# Altium PCB RBP-UPS_Power_V1.1.PcbDoc (part 1 of 2) (continued)
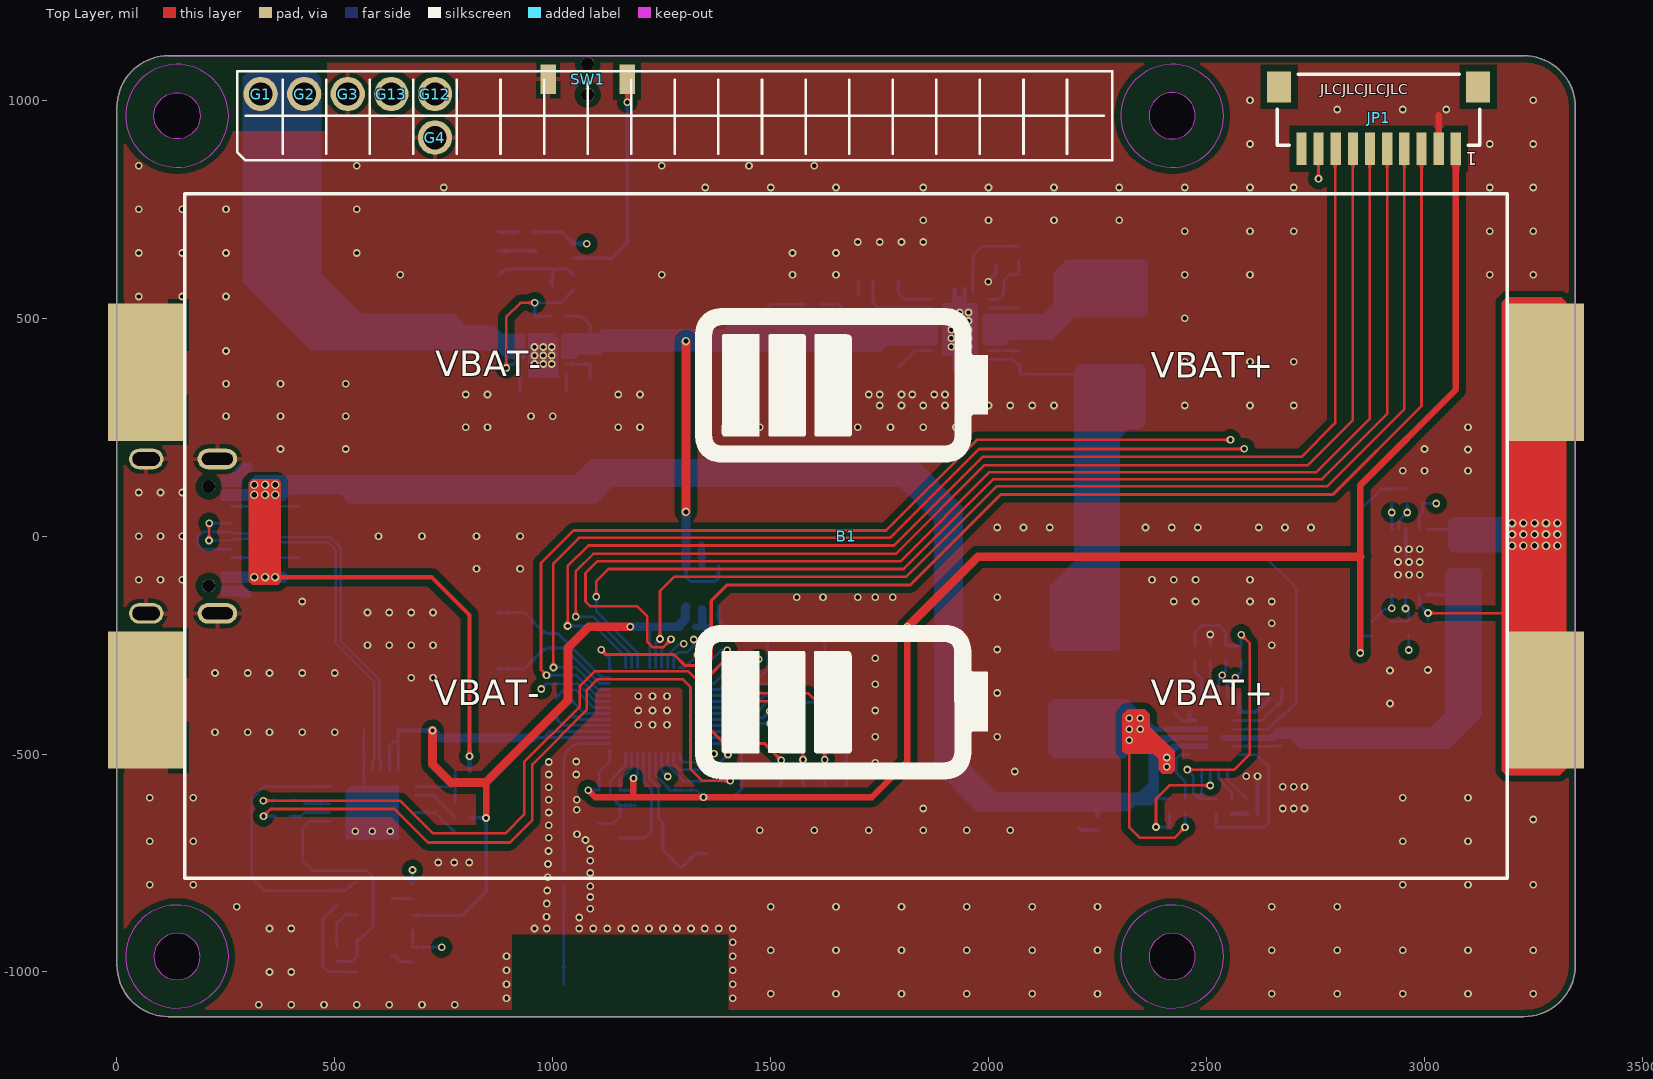
[diagram p0: Top Layer view]
## Components (designator, comment, footprint, x,y, rotation, side; value= is the part's Value field where it differs from the comment) (continued)
R1 "21K/1%" R0402_L 2415.1,-618.96 r90 bottom
R2 "10K/1%" R0402_L 2415.09,-683.96 r90 bottom
R3 "5.1K/1%" R0402_L 432.73,-49 r180 bottom
R4 "5.1K/1%" R0402_L 432.73,68.23 r180 bottom
R5 "0R/1%" R0402_L 381.25,-606.83 r180 bottom
R6 "26.5K/1%" R0402_L 2673,-396 r270 bottom
R7 "10K/1%" R0402_L 2673,-331.27 r90 bottom
R8 "0R/1%" R0402_L 381.21,-642.34 r180 bottom
R9 "0R/1%" R0402_L 677.77,-959.82 r90 bottom
R10 "10K/1%" R0402_L 503.81,-830.4 r270 bottom
R11 "10K/1%" R0402_L 503.98,-959.31 r90 bottom
R12 "0R/1%" R0402_L 678.03,-814.73 r90 bottom
R13 "22.1K/%" R0402_L 792.58,-539.1 r180 bottom
R14 "47.5K/%" R0402_L 792.73,-575 r180 bottom
R15 "10K/1%/NC" R0402_L 792.54,-681.89 r0 bottom
R16 "1K/1%" R0402_L 792.54,-646.58 r0 bottom
R17 "100K/1%" R0402_L 2508.32,-268.18 r90 bottom
R18 "100K/1%" R0402_L 2473,-268.27 r270 bottom
R19 "2K/1%" R0402_L 2544,-268.27 r270 bottom
R20 "2K/1%" R0402_L 2579.45,-268.24 r270 bottom
R21 "10K/1%" R0402_L 2522.11,-619.19 r90 bottom
R22 "10K/1%" R0402_L 2522.11,-684.19 r90 bottom
R23 "1.05K/1%" R0402_L 2671.92,-498.74 r90 bottom
R24 "30.9K/1%" R0402_L 2593.22,-619.12 r90 bottom
R25 "182K/1%" R0402_L 1597.38,532.06 r180 bottom
R26 "255K/1%" R0402_L 2068.15,506.98 r90 bottom
R27 "56K/1%" R0402_L 1653,548.73 r270 bottom
R28 "200K/1%" R0402_L 2068.87,648.61 r270 bottom
R29 "NC/0R" R0402_L 1792.65,372.76 r90 bottom
R30 "NC" R0402_L 2069.04,583.84 r90 bottom
R31 "17.4K/1%" R0402_L 1717.86,551.8 r180 bottom
R32 "20K/1%" R0402_L 1153.7,-599.62 r90 bottom
R33 "499R/1%" R0402_L 1362.73,-562 r0 bottom
R34 "0R" R0402_L 1025.4,-784.92 r90 bottom
R35 "10M/1%" R0402_L 985.98,-239.83 r270 bottom
R36 "NC/10K/1%" R0402_L 1014.09,504.79 r0 bottom
R37 "100K/1%/NC" R0402_L 1086,411.73 r90 bottom
R38 "10K/1%/NC" R0402_L 941.7,504.52 r0 bottom
R39 "3.1K/1%" R0402_L 1014.27,331 r0 bottom
R40 "NC/100K/1%" R0402_L 1085.98,346.71 r90 bottom
R41 "5.1K/1%" R0402_L 2925.57,91.65 r90 bottom
R42 "5.1K/1%" R0402_L 2961.01,91.86 r90 bottom
R43 "5.1K/1%" R0402_L 2879,-211.73 r270 bottom
R44 "1.8M/1%" R0402_L 2964,-211.73 r270 bottom
R45 "0.01R/1%" R1206_L 3091,-52 r270 bottom
R46 "10K/1%" R0402_L 678.05,-887.13 r90 bottom
R47 "1K/1%" R0402_L 2250,-658 r270 bottom
R48 "1K/1%" R0402_L 936.17,697.03 r0 bottom
R49 "1K/1%" R0402_L 1049.43,582.3 r90 bottom
R50 "10K/1%" R0402_L 875.43,582.3 r90 bottom
R51 "10K/1%" R0402_L 1049.43,654.76 r270 bottom
R? "10K/1%" R0402_L 2921.5,-211.54 r90 bottom
RILIM "237K/1%" R0402_L 1792.65,602 r90 bottom
SW1 "小龟侧按3x4" 小龟开关侧按键2脚贴片 1080,1048.43 r180 top locked
T1 "CrossAir" CA-C03 1133.27,-1029 r0 bottom
U1 "SPX3819M5-L/TR" SOT23-5L 1343,-115 r270 bottom
U2 "CP2102-GMR" "QFN28 5x5_L" 586,-634 r0 bottom
U3 "MP2617B" QFN-20 2518.31,-452.53 r0 bottom
U4 "TPS61088" VQFN-20 1934,474 r180 bottom
U5 "ESP32-D0WD V3" QFN48_ESP32 1229,-400 r0 bottom
U6 "PW1555" DFN3x3-10 977.85,414.63 r180 bottom
U7 "BQ27441-G1" VSON-12 2964.63,-59.2 r270 bottom
USBC1 "TYPE-C 2.0 -16P" USB-C-SMD_16P 164.45,0 r270 bottom locked
X1 "40M" XTAL-3225-4P 1252.66,-726.54 r180 bottom
X2 "32.768K" XTAL-3215-2P 927.95,-239.86 r270 bottom

## Footprints (in the part's own frame and the unit in brackets; to place one, negate y for a bottom-side part, rotate by r counter-clockwise, add the part's x,y. Pads: shape width x height; smd on the part's side, far side on the other; paste and mask are expansions set on the pad)
18650*2 [mm] "18650电池盒"
  rect 4.45x8 smd: 1(-40.775,9.55) 2(40.775,9.55) 3(-40.775,-9.55) 4(40.775,-9.55)
  silkscreen extent -38.55,-19.96 38.55,19.95
C0402_L [mm] "无极性贴片电容"
  rect 0.4x0.5 smd: 1(-0.45,0) 2(0.45,0)
  silkscreen extent -0.85,-0.45 0.85,0.45, body extent -0.5,-0.26 0.5,0.26, height 0.54
C0603_L [mil] "无极性贴片电容"
  rect 30x30 smd: 1(-25.59,0) 2(25.59,0)
  silkscreen extent -51,-26 51,26, body extent -31,-16 32,16, height 33
C0805_L [mil] "无极性贴片电容"
  rect 35x50 smd: 1(-37.4,0) 2(37.4,0)
  silkscreen extent -67,-36 67,36, body extent -39,-24 39,24, height 21
C1206_L [mil] "无极性贴片电容"
  rect 55x62 smd: 1(-55.12,0) 2(57.09,0)
  silkscreen extent -96,-44 98,44, body extent -63,-32 63,32, height 49
CA-C03 [mm] "2.4G  ISM  BLE  WIFI  ZigBee  贴片天线"
  rect 1.2x2 smd mask+0.102: 1(-2.75,0) 2(2.75,0)
  silkscreen extent -3.76,-1.27 3.65,1.38, body extent -2.75,-1 2.75,1, height 1.01
DFN3x3-10 [mm]
  rrect20% 0.55x0.3 smd mask+0.102: 1(-1.35,1) 2(-1.35,0.5) 3(-1.35,0) 4(-1.35,-0.5) 5(-1.35,-1) 6(1.35,-1) 7(1.35,-0.5) 8(1.35,0) 9(1.35,0.5) 10(1.35,1)
  rrect50% 0.875x1.3 smd mask+0.102: 11(0,0)
  Top Layer region: -0.875,-1.3 -0.875,1.005 -0.58,1.3 0.875,1.3 0.875,-1.3
  silkscreen extent -2.01,-1.5 1.5,1.5, body extent -1.5,-1.5 1.5,1.5, height 0.65
L-SMD-0630 [mm] "一体化成型电感                             淘宝ID:黄晶宝石"
  rect 3x3.5 smd: 1(-3.175,0) 2(3.175,0)
  silkscreen extent -3.66,-3.48 3.66,3.48, body extent -3.47,-3.3 3.48,3.3, height 3.05
LED0402 [mm] "0402贴片灯珠"
  rect 0.6x0.7 smd: 1(-0.55,0)
  oct 0.6x0.7 smd: 2(0.55,0)
  silkscreen extent -1.02,-0.51 1.27,0.51, body extent -0.5,-0.25 0.5,0.25, height 0.45
PA100-A3 [mm]
  round 2 hole 1.36: 1(0,0)
"QFN28 5x5_L" [mm] "28脚，长x宽x高：5x5x0.8mm，脚距：0.5mm"
  rect 0.25x1.1 smd: 1(-1.5,-2.5)
  oval 0.25x1.1 smd: 2(-1,-2.5) 3(-0.5,-2.5) 4(0,-2.5) 5(0.5,-2.5) 6(1,-2.5) 7(1.5,-2.5) 15(1.5,2.5) 16(1,2.5) 17(0.5,2.5) 18(0,2.5) 19(-0.5,2.5) 20(-1,2.5) 21(-1.5,2.5)
  oval 1.1x0.25 smd: 8(2.5,-1.5) 9(2.5,-1) 10(2.5,-0.5) 11(2.5,0) 12(2.5,0.5) 13(2.5,1) 14(2.5,1.5) 22(-2.5,1.5) 23(-2.5,1) 24(-2.5,0.5) 25(-2.5,0) 26(-2.5,-0.5) 27(-2.5,-1) 28(-2.5,-1.5)
  rect 1x1 smd: 29(0,0)
  Top Layer region: -1.55,1.55 1.55,1.55 1.55,-1.55 -1.225,-1.55 -1.55,-1.225
  silkscreen extent -2.6,-3.12 2.6,2.6, body extent -2.51,-2.51 2.51,2.51
QFN48_ESP32 [mm]
  rect 0.7x0.18 smd: 1(-2.5,2.275) 2(-2.5,1.925) 3(-2.5,1.575) 4(-2.5,1.225) 5(-2.5,0.875) 6(-2.5,0.525) 7(-2.5,0.175) 8(-2.5,-0.175) 9(-2.5,-0.525) 10(-2.5,-0.875) 11(-2.5,-1.225) 12(-2.5,-1.575) 13(-2.5,-1.925) 14(-2.5,-2.275) 25(2.5,-2.275) 26(2.5,-1.925) 27(2.5,-1.575) 28(2.5,-1.225) 29(2.5,-0.875) 30(2.5,-0.525) 31(2.5,-0.175) 32(2.5,0.175) 33(2.5,0.525) 34(2.5,0.875) 35(2.5,1.225) 36(2.5,1.575) 37(2.5,1.925) 38(2.5,2.275)
  rect 0.18x0.7 smd: 15(-1.575,-2.5) 16(-1.225,-2.5) 17(-0.875,-2.5) 18(-0.525,-2.5) 19(-0.175,-2.5) 20(0.175,-2.5) 21(0.525,-2.5) 22(0.875,-2.5) 23(1.225,-2.5) 24(1.575,-2.5) 39(1.575,2.5) 40(1.225,2.5) 41(0.875,2.5) 42(0.525,2.5) 43(0.175,2.5) 44(-0.175,2.5) 45(-0.525,2.5) 46(-0.875,2.5) 47(-1.225,2.5) 48(-1.575,2.5)
  rrect20% 3.5x3.5 smd: 49(0,0)
  silkscreen extent -2.84,-2.5 2.5,3.02, body extent -2.5,-2.5 2.5,2.5, height 0.85
QFN-20 [mm]
  rect 0.7x0.25 smd mask+0.102: 1(-1.45,1.25) 6(-1.45,-1.25) 11(1.45,-1.25) 16(1.45,1.25)
  rect 1.4x0.25 smd mask+0.102: 2(-1.1,0.75) 3(-1.1,0.25) 4(-1.1,-0.25) 5(-1.1,-0.75) 12(1.1,-0.75) 13(1.1,-0.25) 14(1.1,0.25) 15(1.1,0.75)
  rect 0.25x0.7 smd mask+0.102: 7(-0.75,-2.077) 8(-0.25,-2.077) 9(0.25,-2.077) 10(0.75,-2.077) 17(0.75,2.077) 18(0.25,2.077) 19(-0.25,2.077) 20(-0.75,2.077)
  silkscreen extent -1.45,-1.96 1.45,1.96, body extent -1.45,-1.95 1.45,1.95, height 1
R0402_L [mm] "1/16W贴片电阻"
  rect 0.4x0.5 smd: 1(-0.425,0) 2(0.425,0)
  silkscreen extent -0.82,-0.45 0.83,0.45, body extent -0.5,-0.25 0.5,0.25, height 0.3
R1206_L [mil] "1/4W贴片电阻"
  rect 55x62 smd: 1(-55.12,0) 2(57.09,0)
  silkscreen extent -96,-44 98,44, body extent -63,-31 63,31, height 22
SH1.0-WT-10P [mm] "SH1.0连接器-卧贴-10P      来自淘宝卖家ID：黄晶宝石"
  rect 1.4x1.8 smd: 0(-5.8,-1.8) 0(5.8,-1.8)
  rect 0.6x1.9 smd: 1(-4.5,1.8) 2(-3.5,1.8) 3(-2.5,1.8) 4(-1.5,1.8) 5(-0.5,1.8) 6(0.5,1.8) 7(1.5,1.8) 8(2.5,1.8) 9(3.5,1.8) 10(4.5,1.8)
  silkscreen extent -5.9,-2.54 5.9,1.6, body extent -6,-2.5 6,2.45, height 2.9
SOP8W_L [mm] "SPI_FLASH 5.3*8.3*1.8mm（长宽高）  淘宝ID:黄晶宝石"
  oval 1.75x0.6 smd: 1(-3.768,1.905) 2(-3.768,0.635) 3(-3.768,-0.635) 4(-3.768,-1.905) 5(3.768,-1.905) 6(3.768,-0.635) 7(3.768,0.635) 8(3.768,1.905)
  silkscreen extent -3.94,-2.67 2.29,3.43, body extent -3.94,-2.64 3.94,2.64, height 1.9
SOT23-3L [mm] "SOT23, 3-Leads, Body 2.9x1.3mm, Pitch 0.95mm, Lead Span 2.4mm, IPC High Density"
  rect 1x0.6 smd: 1(-1,0.95) 2(-1,-0.95) 3(1,0)
  silkscreen extent -1.12,-1.5 0.7,1.92, body extent -1.2,-1.5 1.2,1.5, height 1.05
SOT23-5L [mm] "SOT23, 5-Leads, Body 2.9x1.6mm, Pitch 0.95mm, IPC High Density"
  rect 0.85x0.6 smd: 1(-1.2,0.95) 2(-1.2,0) 3(-1.2,-0.95) 4(1.2,-0.95) 5(1.2,0.95)
  silkscreen extent -1.32,-1.55 0.4,1.92, body extent -1.4,-1.5 1.4,1.5, height 1.15
USB-C-SMD_16P [mm] "封装库来自淘宝ID:黄晶宝石"
  oval 1.2x2.3 hole 0.7 slot 1.8 at 90 deg: 0(-4.5,-1.675) 0(4.5,-1.675)
  oval 1.2x2 hole 0.8 slot 1.6 at 90 deg: 0(-4.5,2.475) 0(4.5,2.475)
  rect 0.3x1.15 smd: A1(3.35,-2.473) A4(2.55,-2.471) A5(1.25,-2.475) A6(0.25,-2.475) A7(-0.25,-2.473) A9(-2.55,-2.475) A12(-3.35,-2.475) B1(-3.05,-2.475) B4(-2.25,-2.475) B5(-1.75,-2.475) B6(-0.75,-2.475) B7(0.75,-2.473) B9(2.25,-2.471) B12(3.05,-2.473)
  rect 0.3x1.148 smd: A8(1.75,-2.475) B8(-1.25,-2.475)
  round 0.75 hole 0.75 unplated: ""(-2.89,-1.175) ""(2.89,-1.175)
  silkscreen extent -4.56,-2.75 4.5,5.08, body extent -4.44,-2.87 4.5,5.03, height 3.25
VQFN-20 [mm]
  rrect50% 0.24x0.6 smd: 1(-0.75,2.15) 10(-0.75,-2.15) 11(0.75,-2.15) 20(0.75,2.15)
  rrect50% 0.6x0.24 smd: 2(-1.65,1.75) 3(-1.65,1.25) 4(-1.65,0.75) 5(-1.65,0.25) 6(-1.65,-0.25) 7(-1.65,-0.75) 8(-1.65,-1.25) 9(-1.65,-1.75) 12(1.65,-1.75) 13(1.65,-1.25) 14(1.65,-0.75) 15(1.65,-0.25) 16(1.65,0.25) 17(1.65,0.75) 18(1.65,1.25) 19(1.65,1.75)
  rrect50% 1.8x2.45 smd: 21(0,0)
  Top Layer region: -1.038,-1.538 -0.401,-1.538 -0.401,-2.403 -0.396,-2.426 -0.383,-2.446 -0.364,-2.459 -0.341,-2.463 -0.341,-2.463 -0.234,-2.463 -0.211,-2.459 -0.192,-2.446 -0.179,-2.426 -0.174,-2.403 -0.174,-2.403 -0.174,-1.937 0.174,-1.937 0.174,-2.403 0.179,-2.426 0.192,-2.446 0.211,-2.459 0.234,-2.463 0.234,-2.463 0.341,-2.463 0.364,-2.459 0.383,-2.446 0.396,-2.426 0.401,-2.403 0.401,-2.403 0.401,-1.538 1.012,-1.538 1.018,-1.537 1.022,-1.534 1.025,-1.53 1.026,-1.525 1.026,-1.525 1.026,1.519 1.019,1.53 1.007,1.537 1.007,1.537 0.401,1.537 0.401,2.403 0.396,2.426 0.383,2.446 0.364,2.459 0.341,2.463 0.341,2.463 0.234,2.463 0.211,2.459 0.192,2.446 0.179,2.426 0.174,2.403 0.174,2.403 0.174,1.937 -0.174,1.937 -0.174,2.403 -0.179,2.426 -0.192,2.446 -0.211,2.459 -0.234,2.463 -0.234,2.463 -0.341,2.463 -0.364,2.459 -0.383,2.446 -0.396,2.426 -0.401,2.403 -0.401,2.403 -0.401,1.538 -1.038,1.538 -1.043,1.537 -1.047,1.534 -1.05,1.53 -1.051,1.525 -1.051,1.525 -1.051,-1.525 -1.05,-1.53 -1.047,-1.534 -1.043,-1.537 -1.038,-1.538
  silkscreen extent -1.8,-2.3 1.8,2.3, body extent -1.8,-2.3 1.8,2.3, height 1
VSON-12 [mm]
  rrect50% 0.6x0.2 smd: 1(-1.9,1) 2(-1.9,0.6) 3(-1.9,0.2) 4(-1.9,-0.2) 5(-1.9,-0.6) 6(-1.9,-1) 7(1.9,-1) 8(1.9,-0.6) 9(1.9,-0.2) 10(1.9,0.2) 11(1.9,0.6) 12(1.9,1)
  rrect50% 2.45x1.95 smd: 13(0,0)
  silkscreen extent -2.59,-1.33 2.08,1.33, body extent -2.07,-1.33 2.07,1.33, height 1
XTAL-3215-2P [mm] "3.2*1.5*0.6mm(长宽高)"
  rect 1.2x1.5 smd: 1(-1.65,0) 2(1.65,0)
  silkscreen extent -2.41,-0.89 2.41,0.89, body extent -1.6,-0.75 1.6,0.75, height 0.61
XTAL-3225-4P [mm] "3.2*2.5*0.7mm(长宽高)                             淘宝ID:黄晶宝石"
  rect 1.3x1.2 smd: 1(-1.05,-0.85) 2(1.05,-0.85) 3(1.05,0.85) 4(-1.05,0.85)
  silkscreen extent -2.03,-1.75 1.91,1.65, body extent -1.6,-1.25 1.6,1.25, height 0.7
小龟开关侧按键2脚贴片 [mm] "3*4 白色 带定位柱"
  round 0.75 hole 0.75 unplated mask+0.102: 0(0,0.9) 0(0,-0.9)
  rect 0.9x1.7 smd mask+0.102: 1(-2.3,0) 2(2.3,0)
  body extent -2.5,-1.95 2.5,1.45, height 1.5

## Part data
B1: "18650电池盒"
C1 C2 C3 C4 C5 C6 C7 C8 C9 C10 C11 C12 C13 C14 C15 C16 C17 C18 C19 C20 C21 C22 C23 C24 C25 C26 C27 C28 C29 C30 C31 C32 C33 C34 C35 C36 C37 C38 C39 C40 C41 C42 C43 C44 C45 C46 C47 C48: library part C, "贴片电容", BOM名称=无极性贴片电容, 联系卖家，免费查找封装=唯一出售店铺网址https://shop463601444.taobao.com
IC1: library part W25Q, "SPI Flash", BOM名称=外置Flash, 封装库来自淘宝卖家ID：黄晶宝石=其他店铺购入均为盗版假冒封装库，请立即申请退款, 联系卖家，免费查找封装=唯一出售店铺网址https://shop463601444.taobao.com
JP1: library part "Header 10", "10P连接器", BOM名称=10P连接器, 联系卖家 免费技术支持=封装库来自淘宝卖家ID：黄晶宝石, 联系卖家 免费查找封装=唯一出售店铺网址https://shop463601444.taobao.com
L1: library part L-CDRH, "CDRH功率屏蔽电感", BOM名称=功率屏蔽电感, 联系卖家，免费查找封装=唯一出售店铺网址https://shop463601444.taobao.com
L2: library part L-CDRH, "功率电感", BOM名称=功率屏蔽电感, 联系卖家，免费查找封装=唯一出售店铺网址https://shop463601444.taobao.com
LED1 LED2: library part LED-SMD, "贴片LED", BOM名称=贴片LED, 联系卖家 免费查找封装=封装库来自淘宝卖家ID：黄晶宝石
Q1 Q2 Q3: library part 8050-SMD, "高频放大-NPN型", BOM名称=高频放大-NPN型, 参数="40V 1.5A 1W 100MHZ", 联系卖家，免费查找封装=唯一出售店铺网址https://shop463601444.taobao.com
R1 R2 R3 R4 R5 R6 R7 R8 R9 R10 R11 R12 R13 R14 R15 R16 R17 R18 R19 R20 R21 R22 R23 R24 R25 R26 R27 R28 R29 R30 R31 R32 R33 R34 R35 R36 R37 R38 R39 R40 R41 R42 R43 R44 R45 R46 R47 R48 R49 R50 R51 R? RILIM: library part R, "贴片电阻", BOM名称=贴片电阻, 联系卖家，免费查找封装=唯一出售店铺网址https://shop463601444.taobao.com
SW1: library part SW-PB, "微动开关", BOM名称=3x6轻触开关, 封装库来自淘宝卖家ID：黄晶宝石=其他店铺购入均为盗版假冒封装库，请立即申请退款, 联系卖家，免费查找封装=唯一出售店铺网址https://shop463601444.taobao.com
T1: "天线"
U1: library part SPX3819M5, "500ma-LDO"
U2: "USB-TTL"
U3: "锂电池充电IC，电源路径管理"
U4: "10A 全集成同步升压转换器"
U5: "ESP32"
U6: "VOVP  ILIM保护芯片"
U7: library part BQ27441, "电量监测计"
USBC1: library part USB2.0_Type-C_16Pin, "USB2.0_Type-C_16Pin母座", 联系卖家 免费技术支持=封装库来自淘宝卖家ID：黄晶宝石, 联系卖家 免费查找封装=唯一出售店铺网址https://shop463601444.taobao.com
X1: library part XTAL-4P, "4脚无源晶振(谐振器）", BOM名称=4脚无源晶振(谐振器）, 联系卖家，免费查找封装=唯一出售店铺网址https://shop463601444.taobao.com
X2: library part XTAL-2P, "2脚无源晶振(谐振器）", BOM名称=2脚无源晶振(谐振器）, 联系卖家，免费查找封装=唯一出售店铺网址https://shop463601444.taobao.com

## Via types
v1: diameter 17.72, hole 9.84, Top Layer to Bottom Layer, tented both sides, 427 vias
v2: diameter 19.68, hole 11.81, Top Layer to Bottom Layer, tented both sides, 26 vias

## Nets (pads, with @x,y where several pads share a name; then routed paths per layer and width w, separated by ;. In a path a pad name is that pad's centre, name@x,y a point inside that pad or via, vN(x,y) a via of type N, cw(c..) or ccw(c..) an arc to the next point about the centre after c; other vN are vias at no path point)
BQ27441_BIN: R44.1 R?.2 U5.36 U7.10 | length 3101
  PWR w6: v1(1463.91,-450.09) 1385.91,-450.09 1355,-481 1204,-481 1157,-528 1157,-690 1234,-767 2726,-767 2822,-671 2822,-217 2851,-188 2934.51,-188 v1(2956.76,-165.76)
  Bottom Layer w6: U5.36@1327.43,-462.01 1451.99,-462.01 v1(1463.91,-450.09) ; R?.2@2923.47,-194.8 R?.2@2921.5,-194.8 2921.6,-194.9 2963.9,-194.9 R44.1@2964,-195 2964,-173 v1(2956.76,-165.76) ; v1@2954.51,-168 v1(2956.76,-165.76) ; U7.10@2956.76,-134 v1(2956.76,-165.76)
BQ27441_GPOUT: R43.1 U5.38 U7.12 | length 2686.5
  PWR w6: v1(1370,-499) 1255.58,-499 1225.44,-529.14 1225.44,-693.09 1284.06,-751.71 2707.24,-751.71 2804.02,-654.93 2804.02,-207.31 2846.15,-165.18 v1(2925.26,-165.18)
  Bottom Layer w6: U5.38@1327.43,-489.57 1360.57,-489.57 v1(1370,-499) ; R43.1@2879,-195 2880.97,-195 2908.55,-167.42 2923.02,-167.42 v1(2925.26,-165.18) U7.12@2925.26,-134
BQ27441_SCL: R42.1 U5.39 U7.2 | length 2953.6
  PWR w6: v1(1402,-501) 1383,-520 1260,-520 1243,-537 1243,-681 1299,-737 2695,-737 2785,-647 2785,-22 2842,35 2941.43,35 v1(2960.81,54.38)
  Bottom Layer w6: U5.39@1291.01,-498.43 1291.01,-508.66 1301.35,-519 1384,-519 v1(1402,-501) ; U7.2@2941.01,15.61 2941.01,34.58 v1(2960.81,54.38) 2960.81,74.93 R42.1@2961.01,75.13
BQ27441_SDA: R41.1 U5.42 U7.1 | length 2606.4
  PWR w6: v1(1263.58,-551.29) 1263.58,-675.91 1309.57,-721.91 2682.41,-721.91 2770,-634.32 2770,-17.43 2841.78,54.35 v1(2925.33,54.35)
  Bottom Layer w6: U5.42@1249.67,-498.43 1249.67,-537.39 v1(1263.58,-551.29) ; U7.1@2925.29,15.64 v1@2925.29,54.31 ; v1(2925.33,54.35) 2925.33,74.68 R41.1@2925.57,74.92
BQ_VDD: C46.2 R44.2 U7.5 | length 540.1
  PWR w6: v1(2964,-261) 3010,-261 3057,-214 3057,0 3027,30 v1(3027,75)
  Bottom Layer w6: v1(2964,-261) R44.2@2964,-228.46 ; U7.5@2988.25,15.61 2988.25,46.25 2996.17,54.17 C46.2@2996.17,75.15 3026.85,75.15 v1(3027,75)
CC1: R3.2 USBC1.A5 | length 154.2
  Bottom Layer w6: USBC1.A5@261.9,-49.21 415.79,-49.21 R3.2@416,-49
CC2: R4.2 USBC1.B5 | length 154.4
  Bottom Layer w6: USBC1.B5@261.88,68.9 415.34,68.9 R4.2@416,68.23
CHIP_PU: C48.2 R9.2 R46.1 U5.9 | length 1023
  PWR w6: v1(745,-943) 831,-943 935,-839 935,-389.25 v1(973.54,-350.72)
  Bottom Layer w6: R9.2@677.77,-943.09 R9.2@677.81,-943.04 ; R46.1@678.05,-903.87 678.05,-942.8 R9.2@677.81,-943.04 ; v1(745,-943) C48.2@713,-943 C48.2@713,-943 R9.2@677.81,-943.04 ; v1(973.54,-350.72) 985.85,-338.4 1056.61,-338.4 1097.54,-379.33 U5.9@1130.57,-379.33
DTR: Q2.2 R10.1 U2.28 | length 633
  Bottom Layer w6: U2.28@487.57,-574.94 337.48,-574.94 309.54,-602.88 309.54,-783.86 339.34,-813.67 R10.1@503.81,-813.67 523.84,-813.67 543.54,-793.97 Q2.2@551.42,-793.97
GND: B1.2 B1.4 C1.2 C2.1 C3.2 C4.1 C5.1 C6.1 C8.1 C9.1 C10.1 C11.1 C12.2 C14.1 C15.1 C16.1 C17.1 C18.1 C19.1 C20.1 C21.1 C22.2 C23.2 C24.2 C25.2 C26.1 C27.1 C29.2 C30.1 C31.1 C32.1 C33.1 C34.2 C35.1 C36.1 C39.1 C40.1 C41.1 C42.1 C43.1 C44.1 C45.1 C46.1 C47.2 C48.1 G3.1 G4.1 IC1.4 JP1.2 LED1.2 Q3.2 R2.1 R3.1 R4.1 R7.2 R14.1 R15.2 R17.2 R22.1 R23.1 R24.1 R27.1 R29.1 R30.1 R38.1 R39.1 R40.1 R50.1 R?.1 RILIM.2 SW1.2 U1.2 U2.3 U2.29 U3.5 U3.6 U3.11 U4.20 U4.21 U5.49 U6.11 U7.3 U7.13 USBC1.0 USBC1.A1 USBC1.A12 USBC1.B1 USBC1.B12 X1.2 X1.4 | length 886.9
  Top Layer w15: JP1.2@3032.8,889.14 3032.8,965.8
  Bottom Layer w6: 566.31,-614.31 U2.29@586,-634 v1(586,-677) ; 566.31,-596.69 U2.3@566.31,-535.57 566.31,-444.69 ; R17.2@2508.32,-251.45 v1(2508.32,-225.68)
  Bottom Layer w8: v1(1999,584) 2016,601 2016,621.82 C21.1@2016.18,622 ; 2426,-404 2445.93,-423.93 U3.5@2461.22,-423.93 ; U3.6@2461.22,-403.31 2461.22,-422.08 2474.08,-422.08 U3.5@2475,-423 ; U7.3@2956.76,15.61 2956.76,-51.32 v1(2964.63,-59.2)
  Bottom Layer w10: C12.2@2557.53,-637.81 2558.51,-636.83 2592.25,-636.83 R24.1@2593.22,-635.85 ; 2576,-365 2575.39,-365.61 U3.11@2575.39,-403.31 2613.88,-403.31 2644.28,-372.91 ; 2617,-635.68 v1(2617,-551)
  Bottom Layer w15: C1.2@1326.43,-208 1342,-208 ; C2.1@1340.91,-19.37 1341.28,-19.75 1341.28,-66.04 U1.2@1343,-67.76 ; 1343,-207 1342,-208 ; C3.2@1357.57,-208 1342,-208
  Bottom Layer w20: 1343,-207 1343,-168
  other v1: 325,-1075 400,-1075 475,-1075 550,-1075 625,-1075 700,-1075 775,-1075 894,-1060 1413,-1060 1500,-1050 1650,-1050 1800,-1050 1950,-1050 2100,-1050 2250,-1050 2650,-1050 2800,-1050 2950,-1050 3100,-1050 3250,-1050 894,-1028 1413,-1028 350,-1000 400,-1000 894,-996 1413,-996 894,-964 1413,-964 1500,-950 1650,-950 1800,-950 1950,-950 2100,-950 2250,-950 2650,-950 2800,-950 2950,-950 3100,-950 3250,-950 1413,-932 350,-900 400,-900 958,-900 986,-900 1061,-900 1093,-900 1125,-900 1157,-900 1189,-900 1221,-900 1253,-900 1285,-900 1317,-900 1349,-900 1381,-900 1413,-900 1061,-875 985.42,-873.33 1086,-855 275,-850 1500,-850 1650,-850 1800,-850 1950,-850 2100,-850 2250,-850 2650,-850 2800,-850 986.35,-843.11 1086,-828 987.28,-812.88 1086,-803 75,-800 175,-800 2950,-800 3100,-800 3250,-800 988.21,-782.66 1086,-773 989.14,-752.44 737,-749 774,-749 808,-749 1086,-745 990.07,-722.22 1086,-718 75,-700 175,-700 2950,-700 3100,-700 1075,-697 991,-692 1055.44,-683.86 547,-677 627,-677 1475,-675 1600,-675 1725,-675 1850,-675 1950,-675 2050,-675 991,-663 3250,-650 991,-634 1055,-628 1850,-625 2675,-625 2700,-625 2725,-625 991,-605 1055,-605 75,-600 175,-600 2950,-600 3100,-600 991,-576 2675,-575 2700,-575 2725,-575 2591,-551 991,-547 1054,-547 2060,-540 1740,-520 991,-518 1054,-517 1740,-460 2020,-460 225,-450 300,-450 350,-450 425,-450 500,-450 1196,-433 1229,-433 1262,-433 1196,-400 1229,-400 1262,-400 1740,-400 2921,-384 1196,-367 1229,-367 1262,-367 2020,-360 1740,-340 675,-325 725,-325 225,-314 300,-314 350,-314 425,-314 500,-314 2921,-308 3008,-307 1740,-280 2020,-260 575,-250 625,-250 675,-250 725,-250 2650,-250 2650,-200 575,-175 625,-175 675,-175 725,-175 425,-150 2425,-150 2475,-150 2600,-150 2650,-150 1560,-140 1620,-140 1700,-140 1740,-140 1780,-140 2020,-140 50,-100 100,-100 150,-100 2375,-100 2425,-100 2475,-100 2600,-100 2939.63,-88.2 2964.63,-88.2 2989.63,-88.2 825,-75 925,-75 2939.63,-59.2 2989.63,-59.2 2939.63,-30.2 2964.63,-30.2 2989.63,-30.2 50,0 100,0 150,0 600,0 700,0 825,0 925,0 2020,20 2080,20 2140,20 2360,20 2420,20 2480,20 2620,20 2680,20 2740,20 50,100 100,100 150,100 2950,150 3000,150 3100,150 3100,199 375,200 525,200 3000,200 800,250 850,250 1150,250 1200,250 1475,250 1550,250 1625,250 1700,250 1775,250 1850,250 1925,250 3100,250 250,275 375,275 525,275 950,275 1000,275 1750,300 1800,300 1850,300 1900,300 2000,300 2050,300 2100,300 2150,300 2450,300 2600,300 2700,300 800,325 850,325 1150,325 1200,325 1725,325 1750,325 1800,325 1825,325 1875,325 1900,325 250,350 375,350 525,350 958.17,394.94 977.85,394.94 997.54,394.94 2450,400 2600,400 2700,400 958.17,414.63 977.85,414.63 997.54,414.63 250,425 958.17,434.31 977.85,434.31 997.54,434.31 1914.31,434.63 1934,434.63 1953.69,434.63 1914.31,454.32 1934,454.32 1953.69,454.32 1914.31,474 1934,474 1953.69,474 1914.31,493.68 1934,493.68 1953.69,493.68 2450,500 1914.31,513.37 1934,513.37 1953.69,513.37 50,550 150,550 250,550 650,600 1250,600 1550,600 1650,600 2450,600 2600,600 3150,600 3250,600 50,650 150,650 250,650 550,650 1550,650 1650,650 1700,675 1750,675 1800,675 1850,675 2450,700 2600,700 2700,700 3150,700 3250,700 1850,725 2000,725 2150,725 2300,725 50,750 150,750 250,750 550,750 750,800 1350,800 1500,800 1650,800 1850,800 2000,800 2150,800 2300,800 2450,800 2600,800 2700,800 3150,800 3250,800 50,850 550,850 1250,850 1450,850 1600,850 2600,900 3150,900 3250,900 2800,979 2950,979 3050,979 2600,1000 3250,1000
GPIO0: R12.2 U5.23 | length 1524.4
  PWR w6: v1@678.14,-766.14 678.14,-937.68 705.24,-964.78 840.95,-964.78 956.73,-849 956.73,-405.27 1049,-313 1261,-313 1321.46,-252.54 1321.46,-239.55 v1(1323.7,-237.31)
  Bottom Layer w6: R12.2@678.03,-798 v1@678.03,-766.03 ; U5.23@1277.2,-301.55 1277.2,-277.34 1287.95,-266.58 1307.91,-266.58 1323.7,-250.79 v1(1323.7,-237.31)
  other v1: 678,-766
GPIO2: U5.22 | length 76.5
  Bottom Layer w6: U5.22@1263.45,-301.57 1263.45,-273.36 1288.78,-248.03 1299.2,-248.03 v1(1300.61,-246.62)
GPIO5: JP1.9 U5.34 | length 2621.5
  Top Layer w6: v1(2757,820.34) 2757,888.93 JP1.9@2757.2,889.13
  PWR w6: v1(1498,-402) 1498,0.33 1588.75,91.08 2655.32,91.08 2757,192.76 v1(2757,820.34)
  Bottom Layer w6: U5.34@1327.43,-434.45 1432.96,-434.43 1451.02,-416.37 1483.63,-416.37 v1(1498,-402)
GPIO12: U5.18
GPIO13: JP1.4 U5.20 | length 2658.1
  Top Layer w6: v1(1246,-236) 1246,-126.25 1279.48,-92.77 1811.11,-92.77 2018.09,114.2 2776.49,114.2 2954.06,291.77 JP1.4@2954.06,889.13
  Bottom Layer w6: U5.20@1235.89,-301.57 1235.89,-246.11 v1(1246,-236)
GPIO14: JP1.5 U5.17 | length 2819.9
  Top Layer w6: v1(1100,-139) 1100,-103 1127.61,-75.39 1805.07,-75.39 2011.28,130.82 2764.94,130.82 2914.69,280.56 JP1.5@2914.69,889.14
  Bottom Layer w6: v1(1100,-139) 1100,-173 1194.55,-267.55 U5.17@1194.55,-301.57
GPIO15: JP1.6 U5.21 | length 2986.9
  Top Layer w6: v1(1271.34,-236.73) 1253.07,-255 1230,-255 1216.31,-241.31 1216.31,-183.31 1194,-161 1086,-161 1075,-150 1075,-84.55 1101.85,-57.7 1797.55,-57.7 2002.26,147 2752.21,147 2874.54,269.32 2874.54,888.36 JP1.6@2875.31,889.14
  Bottom Layer w6: U5.21@1249.67,-301.57 1249.67,-258.44 v1@1271.34,-236.77
GPIO25: JP1.3 U5.14 | length 2870.6
  Top Layer w7: v1(1110.92,-260.91) 1121.34,-271.33 1278.23,-271.33 1304.11,-297.21 1348.38,-297.21 1363.62,-281.98 1363.62,-148.38 1400.34,-111.66 1820.96,-111.66 2028.62,96 2790.53,96 2993.43,298.9 JP1.3@2993.43,889.14
  Bottom Layer w7: v1(1110.92,-260.91) 1130.57,-280.56 U5.14@1130.57,-310.43
GPIO26: JP1.8 U5.15 | length 2851.5
  Top Layer w6: v1(1034,-206) 1034,-68.82 1081.39,-21.43 1782.8,-21.43 1986.33,182.1 2717.64,182.1 2795.2,259.66 2795.2,887.76 JP1.8@2796.57,889.13
  Bottom Layer w6: v1(1034,-206) 1096,-206 1166.99,-276.99 U5.15@1166.99,-301.57
GPIO27: JP1.7 U5.16 | length 2846.8
  Top Layer w6: v1(1053,-185) 1053,-80.45 1093.13,-40.32 1787.8,-40.32 1991.01,162.9 2732.54,162.9 2835.91,266.27 JP1.7@2835.94,889.13
  Bottom Layer w6: v1(1053,-185) 1093,-185 1180.77,-272.77 U5.16@1180.77,-301.57
MP2617B_M0: R18.2 U3.7 | length 92.3
  Bottom Layer w6: R18.2@2473,-285 2473,-310.56 2488.78,-326.34 U3.7@2488.78,-370.76
MP2617B_M1: R17.1 U3.8 | length 85.9
  Bottom Layer w6: R17.1@2508.32,-284.92 2508.46,-285.06 U3.8@2508.46,-370.76
MP_ACOK: R20.2 U3.10 U5.11 | length 2727.6
  Top Layer w6: v1(1001.46,-301.48) 1001.46,-62.54 1060,-4 1774.23,-4 1978.24,200.01 2585.68,200.01 v1(2586.5,200.84)
  GND w6: v1(2565.86,-324.7) 2565.86,-321.53 2555,-310.67 2555,170.94 2584.89,200.84 v1(2586.5,200.84)
  Bottom Layer w6: v1(1001.46,-301.48) 1002.44,-300.5 1052.65,-300.5 1103.92,-351.77 U5.11@1130.57,-351.77 ; U3.10@2547.83,-370.76 2547.83,-341.34 2564.48,-324.7 v1(2565.86,-324.7) 2579.45,-311.11 R20.2@2579.45,-284.97
MP_CHGOK: R19.2 U3.9 U5.10 | length 2766.3
  Top Layer w6: v1(985.42,-319.21) 985.42,-318.79 973,-306.38 973,-62 1048,13 1765,13 1973,221 v1(2555,221)
  GND w6: v1(2535.9,-319.42) 2535.9,201.9 v1(2555,221)
  Bottom Layer w6: v1(985.42,-319.21) 985.54,-319.34 1054.52,-319.34 1100.73,-365.55 U5.10@1130.57,-365.55 ; U3.9@2528.15,-370.76 2528.15,-328.79 2535.36,-321.58 v1@2535.36,-319.42 ; v1(2535.9,-319.42) 2535.96,-318.09 2544,-310.05 R19.2@2544,-285